# Altium PCB GoPoS_PCB_V3_0.PcbDoc (part 2 of 2)
Units mm, origin at the board's own origin, x right, y up, seen from the top; angles counter-clockwise.
Board outline 218.5 x 165.61 mm, 2 copper layers (Top Layer, Bottom Layer); 105 components, 81 nets, 435 pads, 245 vias.
Unrouted connection lines stored in the file: 37.
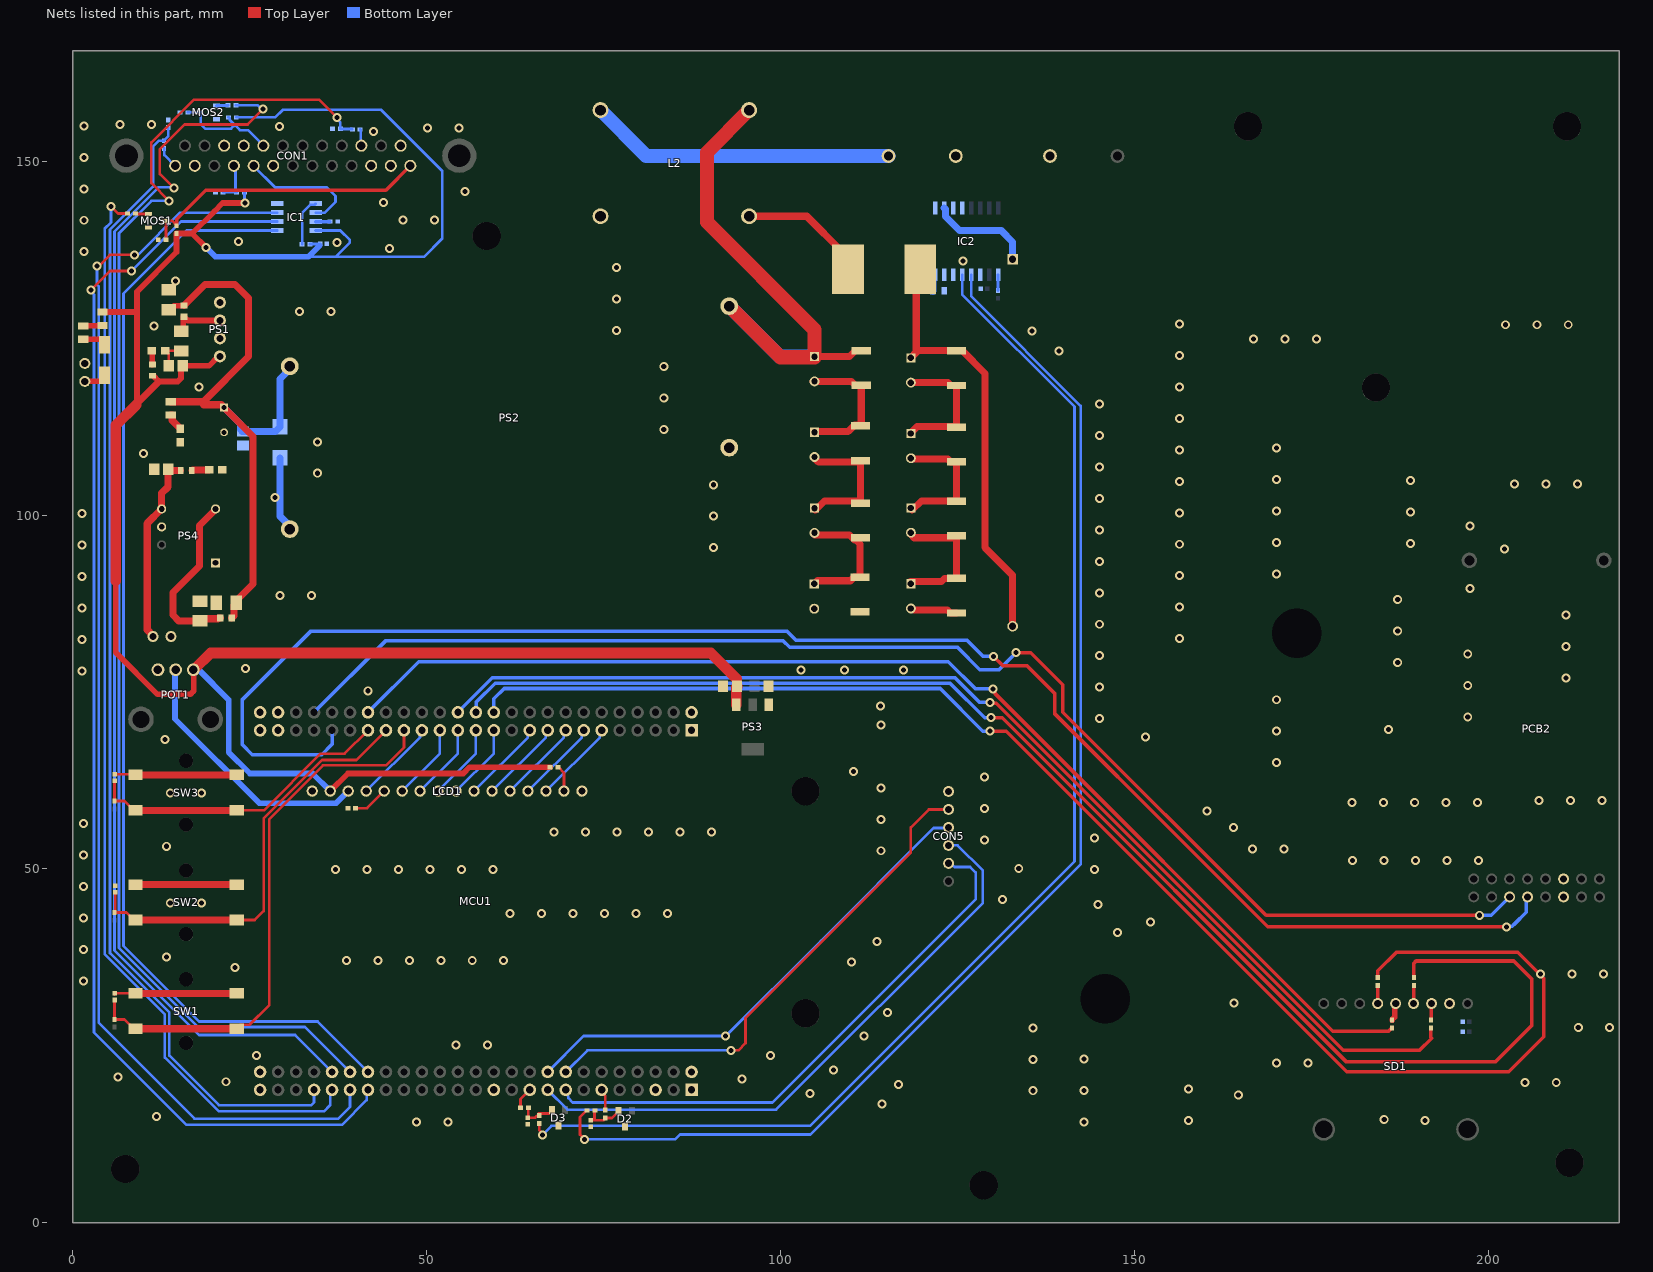
[diagram p2: the nets of this part, all layers, seen from the top]

## Via types
v1: diameter 1.27, hole 0.711, Top Layer to Bottom Layer, 245 vias

## Nets (pads, with @x,y where several pads share a name; then routed paths per layer and width w, separated by ;. In a path a pad name is that pad's centre, name@x,y a point inside that pad or via, vN(x,y) a via of type N, cw(c..) or ccw(c..) an arc to the next point about the centre after c; other vN are vias at no path point) (continued)
+5: C1.2 C8.1 C9.1 IC1.8 LCD1.2 POT1.1 PS1.4 PS3.3 R1.2 R8.1 R9.2 R12.1 R14.2 R20.2 R43.2 | length 351.5
  Top Layer w0.78: R43.2@4.2,128.7 8.871,128.7 9.071,128.5
  Top Layer w0.8: 6.075,90.753 6.075,80.593 11.992,74.676 16.603,74.676 17.072,75.145 17.072,78.107 POT1.1@17.032,78.147 ; 9.071,115.765 9.071,128.5 9.071,131.572 14.659,137.16 R9.2@14.659,139.785 16.86,139.785 ; R20.2@11.265,119.685 11.365,119.685 12.178,118.872 14.821,118.872 15.289,119.341 15.289,120.851 C8.1@15.531,121.093 19.226,121.093 20.562,122.428 PS1.4@20.79,122.428 ; v1(18.85,137.795) 16.86,139.785 ; v1(24.3,144.1) 21.175,144.1 20,142.925 16.86,139.785 ; LCD1.2@36.376,61.007 38.869,63.5 55.172,63.5 56.061,64.389 R14.2@67.449,64.389
  Top Layer w1: 9.071,115.765 12.178,118.872
  Top Layer w1.5: 6.075,90.753 6.075,112.701 8.944,115.57 ; POT1.1@17.13,78.245 17.171,78.205 19.484,80.518 90.146,80.518 93.825,76.839 ; PS3.3@93.766,73.229 93.766,75.68 93.855,75.769 C9.1@93.855,75.819
  Bottom Layer w0.381: R1.2@23.098,156.2 28.6,156.2 29.679,157.28 43.52,157.28 52.2,148.6 52.2,139.1 49.6,136.5 37.1,136.5 ; R12.1@24.25,145.6 24.275,145.575 24.275,144.125 v1(24.3,144.1) ; 33.3,136.5 37.1,136.5 ; R8.1@33.497,138.272 33.54,138.315 34.9,138.315 C1.2@34.943,138.358 ; IC1.8@34.307,140.208 37.792,140.208 39.142,138.858 39.142,138.542 37.1,136.5
  Bottom Layer w0.8: POT1.1@17.032,78.147 17.792,78.147 22.025,73.914 22.025,66.5 25.025,63.5 33.883,63.5 LCD1.2@36.376,61.007 ; v1(18.85,137.795) 18.855,137.795 20.15,136.5 33.3,136.5 C1.2@34.889,138.089
+9: C21.1 CON4.1 PS4.5 R37.2 | length 27
  Top Layer w1: CON4.1@11.325,82.849 11.325,82.997 10.525,83.797 10.525,98.845 PS4.5@12.555,100.875 12.555,103.088 13.48,104.013 C21.1@13.48,106.475 13.642,106.313 R37.2@15.231,106.313
+15: C5.1 C6.1 C19.1 C24.1 D1.1 L3.1 L4.1 PS2.3 R19.2 | length 90.8
  Top Layer w0.8: C19.1@13.54,129.032 13.76,129.032 14.294,129.566 15.65,129.566 L3.1@15.7,129.616
  Top Layer w1: R19.2@13.825,116.025 18.45,116.025 ; L3.1@15.7,129.616 18.672,132.588 22.914,132.588 24.819,130.683 24.819,122.394 18.45,116.025 ; L4.1@22.45,85.464 22.765,85.779 22.765,87.315 C24.1@23.075,87.625 23.075,87.845 25.475,90.245 25.475,111.107 C6.1@21.382,115.2 20.987,115.595 18.488,115.595 18.45,115.632 18.45,116.025
  Bottom Layer w1: C6.1@21.382,115.2 23.702,112.879 23.702,112.079 23.947,111.835 C5.1@24.057,111.835 28.647,111.835 29.264,112.452 D1.1@29.264,112.477 29.264,119.228 30.661,120.625 PS2.3@30.661,121.031
+800V: CON2.1 F1.1 IC2.1 IC2.2 IC2.3 IC2.4 | length 14.7
  Bottom Layer w1: IC2.2@123.117,143.409 123.292,143.234 123.292,142.192 125.276,140.208 131.192,140.208 132.8,138.6 F1.1@132.8,136.16
B_L: C2.1 MCU1.83 R16.1 SW1.1 SW1.2 | length 64.2
  Top Layer w0.375: C2.1@5.896,31.496 R16.1@5.896,28.744 7.306,28.744 8.618,27.432 SW1.2@8.868,27.432 ; SW1.1@23.168,27.432 23.73,27.995 25,27.995 27.74,30.734 27.74,57.023 35.36,64.643 44.25,64.643 46.79,67.183 MCU1.83@46.79,69.596
B_OK: C3.1 MCU1.85 R17.1 SW2.1 SW2.2 | length 46.2
  Top Layer w0.375: C3.1@6.023,46.736 6.023,44.034 5.896,43.907 R17.1@5.896,43.857 6.023,43.857 7.56,43.857 8.618,42.799 SW2.2@8.868,42.799 ; SW2.1@23.168,42.799 25.708,42.799 26.978,44.069 26.978,57.151 35.232,65.405 40.059,65.405 MCU1.85@44.25,69.596
B_R: C4.1 MCU1.87 R18.1 SW3.1 SW3.2 | length 29.6
  Top Layer w0.375: C4.1@5.896,62.484 R18.1@5.896,59.605 7.306,59.605 8.618,58.293 SW3.2@8.868,58.293 ; SW3.1@23.168,58.293 27.003,58.293 35.004,66.294 38.408,66.294 MCU1.87@41.71,69.596
C\S\: IC1.1 MCU1.38 | length 159.5
  Bottom Layer w0.375: IC1.1@28.883,140.208 16.056,140.208 7.166,131.318 7.166,39.117 17.835,28.448 34.598,28.448 MCU1.38@41.71,21.336
"Current Program": CON1.10 R12.2 R13.2 | length 5.8
  Bottom Layer w0.375: R13.2@21.25,145.6 R12.2@23.1,145.6 ; CON1.10@22.775,149.36 22.987,149.148 22.987,145.713 R12.2@23.1,145.6 ; R12.2@23.15,145.6 R12.2@23.1,145.6
current_meas: C22.1 D2.3 R29.1 R32.2 | length 5.9
  Top Layer w0.375: C22.1@73.206,14.489 73.714,14.489 ; R32.2@73.756,15.875 73.714,15.833 73.714,14.489 ; D2.3@77.082,15.832 77.082,15.707 76.192,14.817 R29.1@75.238,14.817 75.238,14.767 74.96,14.489 73.714,14.489
current_meas_prot: MCU1.11 R29.2 | length 3.1
  Top Layer w0.375: MCU1.11@74.73,18.796 74.73,18.416 75.238,17.908 R29.2@75.238,15.917
current_ref: C23.1 D3.3 R33.2 R35.1 | length 5.3
  Top Layer w0.375: R35.1@64.358,16.27 64.337,16.249 64.337,14.88 C23.1@64.316,14.859 65.313,14.859 65.856,15.402 65.856,15.452 67.297,15.452 67.679,15.834 D3.3@67.679,15.959
current_ref_prot: MCU1.19 R35.2 | length 3.1
  Top Layer w0.375: R35.2@63.258,16.27 63.258,17.484 MCU1.19@64.57,18.796
CV/CC: CON1.13 R5.1 | length 3.1
  Bottom Layer w0.375: R5.1@12.9,151.8 12.938,151.762 12.938,150.887 CON1.13@14.465,149.36
CV/CC_uC: MCU1.43 R5.2 R6.2 | length 163.7
  Bottom Layer w0.375: R6.2@13.5,154.75 13.5,153.55 12.9,152.95 R5.2@12.9,152.9 12.2,152.9 11.357,152.057 11.357,146.432 5.261,140.336 5.261,38.1 13.643,29.718 13.643,23.623 20.628,16.637 33.709,16.637 34.09,17.019 MCU1.43@34.09,18.796
D0: LCD1.7 MCU1.77 | length 10.8
  Bottom Layer w0.375: LCD1.7@49.076,61.007 54.41,66.341 MCU1.77@54.41,69.596
D1: LCD1.8 MCU1.75 | length 10.8
  Bottom Layer w0.375: LCD1.8@51.616,61.007 56.95,66.341 MCU1.75@56.95,69.596
D2: LCD1.9 MCU1.73 | length 10.8
  Bottom Layer w0.375: LCD1.9@54.156,61.007 59.49,66.341 MCU1.73@59.49,69.596
D3: LCD1.10 MCU1.69 | length 11.9
  Bottom Layer w0.375: LCD1.10@56.696,61.007 64.302,68.613 64.302,69.328 MCU1.69@64.57,69.596
D4: LCD1.11 MCU1.67 | length 11.9
  Bottom Layer w0.375: LCD1.11@59.236,61.007 66.842,68.613 66.842,69.328 MCU1.67@67.11,69.596
D5: LCD1.12 MCU1.65 | length 11.9
  Bottom Layer w0.375: LCD1.12@61.776,61.007 69.382,68.613 69.382,69.328 MCU1.65@69.65,69.596
D6: LCD1.13 MCU1.63 | length 11.9
  Bottom Layer w0.375: LCD1.13@64.316,61.007 71.922,68.613 71.922,69.328 MCU1.63@72.19,69.596
D7: LCD1.14 MCU1.61 | length 11.9
  Bottom Layer w0.375: LCD1.14@66.856,61.007 74.462,68.613 74.462,69.328 MCU1.61@74.73,69.596
E: LCD1.6 MCU1.79 | length 10.8
  Bottom Layer w0.375: LCD1.6@46.536,61.007 51.87,66.341 MCU1.79@51.87,69.596
Enable+: CON1.1 MOS1.3 R9.1 R10.2 | length 41.8
  Top Layer w0.375: MOS1.3@13.008,141.605 MOS1.3@13.064,141.605 ; R10.2@13.177,138.907 13.177,141.493 MOS1.3@13.064,141.605 ; R9.1@14.659,140.885 14.659,140.935 13.989,141.605 MOS1.3@13.064,141.605
  Top Layer w0.5: R9.1@14.659,140.885 14.709,140.935 14.709,141.809 18.8,145.9 44.245,145.9 CON1.1@47.705,149.36
Enable+_uC: MCU1.41 R11.1 | length 156.1
  Top Layer w0.375: v1(5.388,143.637) 6.404,142.621 R11.1@7.759,142.621
  Bottom Layer w0.375: v1(5.388,143.637) 5.388,141.352 4.499,140.463 4.499,37.972 11.103,31.369 13.008,29.463 13.008,23.368 20.628,15.748 35.487,15.748 36.376,16.637 36.376,18.542 MCU1.41@36.63,18.796
Fiber_CS: CON5.5 MCU1.16 | length 73.6
  Top Layer w0.381: v1(93.018,24.384) 94.034,24.384 95.05,25.4 95.05,28.956 118.418,52.324 118.418,55.88 120.958,58.42 CON5.5@123.752,58.42
  Bottom Layer w0.381: MCU1.16@69.65,21.336 72.698,24.384 v1(93.018,24.384)
Fiber_SCK: CON5.2 MCU1.15 | length 79.1
  Bottom Layer w0.381: MCU1.15@69.65,18.796 69.917,18.529 69.917,17.981 70.024,17.874 70.024,17.629 70.635,17.018 98.86,17.018 127.562,45.72 127.562,49.53 126.8,50.292 124.576,50.292 124.068,50.8 CON5.2@123.752,50.8
Fiber_SI: CON5.4 MCU1.18 | length 71
  Bottom Layer w0.381: MCU1.18@67.11,21.336 72.19,26.416 v1(92.256,26.416) 105.691,39.851 121.643,55.804 123.675,55.804 CON5.4@123.752,55.88
Fiber_SO: CON5.3 MCU1.17 | length 85.6
  Bottom Layer w0.381: MCU1.17@67.11,18.796 69.904,16.002 99.368,16.002 128.578,45.212 128.578,49.784 125.022,53.34 CON5.3@123.752,53.34
GND_800V: C17.2 CON2.2 CON3.2 L2.3 R27.1 | length 49.6
  Top Layer w1: C17.2@118.8,86.6 123.612,86.6 124.041,86.171 R27.1@124.866,86.171
  Bottom Layer w2: L2.3@74.558,157.226 81.035,150.749 CON2.2@115.248,150.749
L/A_S_uC: MCU1.42 R36.1 | length 177.8
  Top Layer w0.375: v1(14.3,146.2) 12.3,148.2 12.3,151.7 15.8,155.2 24.7,155.2 v1(26.9,157.4)
  Bottom Layer w0.375: v1(14.3,146.2) 14.196,146.304 12.119,146.304 5.896,140.081 5.896,38.481 17.834,26.543 31.423,26.543 MCU1.42@36.63,21.336 ; R36.1@23.054,157.9 26.158,157.9 26.658,157.4 v1(26.9,157.4)
LOC/ANALOG: C1.1 C2.2 C3.2 C4.2 C5.2 C6.2 C8.2 C9.2 C10.2 C11.2 C19.2 C20.2 C21.2 C22.2 C23.2 C24.2 C25.2 C26.2 C27.2 CON1.2 CON1.3 CON1.8 CON1.12 CON1.14 CON1.22 CON1.23 CON4.2 CON5.6 CON6.2 D1.2 D2.1 D3.1 IC1.4 IC2.11 IC2.14 IC2.15 LCD1.1 LCD1.16 LED1.1 LED2.1 LED3.1 MCU1.1 MCU1.2 MCU1.5 MCU1.23 MCU1.49 MCU1.50 MCU1.51 MCU1.52 MCU1.99 MCU1.100 MOS1.2 MOS2.2 PCB2.6 PCB2.14 POT1.3 PS1.1 PS1.3 PS2.4 PS3.1 PS4.1 PS4.6 R2.1 R4.1 R6.1 R7.2 R10.1 R13.1 R15.1 R31.1 SD1.2 SW1.3 SW1.4 SW2.3 SW2.4 SW3.3 SW3.4 | length 21.3
  Top Layer w0.375: C2.2@5.896,32.269 5.896,32.274 6.054,32.432 SW1.4@8.868,32.432 ; C4.2@5.896,63.384 8.777,63.384 SW3.4@8.868,63.293 ; LED2.1@13.043,123.228 LED2.1@13.118,123.228 ; C8.2@13.551,121.093 13.551,122.795 LED2.1@13.118,123.228 ; C20.2@15.329,123.19 15.29,123.228 LED2.1@13.118,123.228
  Bottom Layer w1: D1.2@29.264,108.077 29.264,99.834 30.661,98.437 PS2.4@30.661,98.031
  other v1: 48.568,14.224 53.013,14.224 142.862,14.269 157.661,14.478 191.062,14.478 185.3,14.6 11.8,15 114.354,16.764 164.675,18.05 104.194,18.288 135.69,18.669 142.862,18.714 157.661,18.923 116.64,19.558 205.159,19.812 209.604,19.812 21.644,19.939 94.542,20.32 6.4,20.6 107.496,21.59 170.107,22.606 174.552,22.606 135.69,23.114 142.862,23.159 25.962,23.622 98.606,23.622 54.156,25.146 58.601,25.146 111.814,26.416 135.69,27.559 212.715,27.6 217.16,27.6 115.116,29.718 164.1,31.075 1.5,34.175 211.815,35.175 216.26,35.175 22.914,36.068 110.036,36.83 38.662,37.084 43.107,37.084 47.552,37.084 51.997,37.084 56.442,37.084 60.887,37.084 13.262,37.592 1.5,38.62 113.612,39.731 147.6,41 152.3,42.5 1.5,43.065 61.776,43.688 66.221,43.688 70.666,43.688 75.111,43.688 79.556,43.688 84.001,43.688 144.833,44.959 13.77,45.212 18.215,45.212 131.372,45.72 1.5,47.51 37.138,49.911 41.583,49.911 46.028,49.911 50.473,49.911 54.918,49.911 59.363,49.911 144.386,49.911 133.658,50.038 180.82,51.175 185.265,51.175 189.71,51.175 194.155,51.175 198.6,51.175 1.5,51.955 114.227,52.578 166.678,52.832 171.123,52.832 13.262,53.213 128.832,54.102 144.386,54.356 67.999,55.245 72.444,55.245 76.889,55.245 81.334,55.245 85.779,55.245 90.224,55.245 163.975,55.85 1.5,56.4 114.227,57.023 160.25,58.2 128.832,58.547 180.72,59.4 185.165,59.4 189.61,59.4 194.055,59.4 198.5,59.4 207.195,59.65 211.64,59.65 216.085,59.65 13.77,60.706 18.215,60.706 114.227,61.468 128.832,62.992 110.29,63.754 170.107,65.024 13.008,68.326 151.575,68.65 170.107,69.469 185.9,69.7 114.227,70.358 145.088,71.247 197.1,71.5 114.1,73.025 170.107,73.914 41.71,75.184 145.088,75.692 197.1,75.945 211,77 1.3,77.975 102.924,78.149 109.02,78.149 117.402,78.149 24.375,78.35 187.207,79.159 145.088,80.137 197.1,80.39 211,81.445 1.3,82.42 156.391,82.55 187.207,83.604 145.088,84.582 211,85.89 1.3,86.865 156.391,86.995 187.207,88.049 29.264,88.646 33.709,88.646 145.088,89.027 197.4,89.6 1.3,91.31 156.391,91.44 170.107,91.694 145.088,93.472 202.3,95.2 1.3,95.755 156.391,95.885 189,96 170.107,96.139 145.088,97.917 197.4,98.49 1.3,100.2 156.391,100.33 189,100.445 170.107,100.584 145.088,102.362 28.575,102.475 203.71,104.4 208.155,104.4 212.6,104.4 156.391,104.775 189,104.89 170.107,105.029 34.598,105.918 145.088,106.807 9.96,108.712 156.391,109.22 170.107,109.474 34.598,110.363 145.088,111.252 156.391,113.665 145.088,115.697 17.828,118.086 156.391,118.11 156.391,122.555 139.373,123.19 166.81,124.9 171.255,124.9 175.7,124.9 135.563,125.984 11.484,126.746 202.41,126.9 206.855,126.9 211.3,126.9 156.391,127 32.058,128.778 36.503,128.778 14.532,133.096 125.784,135.89 1.6,137.22 44.758,137.668 37.3,138.5 23.422,138.684 1.6,141.665 46.663,141.732 51.108,141.732 43.9,144.2 55.4,145.7 1.6,146.11 1.6,150.555 42.472,154.178 50.092,154.686 54.537,154.686 29.2,154.9 1.6,155 6.658,155.194 11.103,155.194
"LOC/ANALOG State": CON1.21 MOS2.3 R1.1 R2.2 | length 15.5
  Bottom Layer w0.375: R2.2@16.25,156.9 MOS2.3@18,156.9 18.1,156.8 18.1,155.2 18.7,154.6 22.36,154.6 22.892,155.132 ; R1.1@21.998,156.2 22.048,156.2 22.16,156.088 22.16,155.863 22.892,155.132 ; CON1.21@26.93,152.2 24.73,154.4 23.623,154.4 22.892,155.132
MOSI2: IC1.3 MCU1.39 | length 179.8
  Top Layer w0.375: v1(3.422,135.194) 3.67,135.194 5.255,136.779 v1(8.69,136.779)
  Bottom Layer w0.375: v1(3.422,135.194) 3.422,132.52 3.67,132.272 3.67,28.26 17.199,14.732 37.519,14.732 39.17,16.383 MCU1.39@39.17,18.796 ; v1(8.69,136.779) 9.198,136.779 15.167,142.748 IC1.3@28.883,142.748
NetC7_1: C7.1 F1.2 L1.1 R21.2 | length 64.5
  Top Layer w1: C7.1@118.418,122.247 119.18,123.009 ; L1.1@119.18,136.725 119.18,123.009 ; L1.1@120.95,133.706 L1.1@120.95,134.75 ; F1.2@132.8,84.114 132.8,91.5 128.9,95.4 128.9,120.034 125.716,123.218 125.691,123.243 124.866,123.243 119.414,123.243 119.18,123.009
NetC7_2: C7.2 C13.1 R21.1 R23.2 | length 19.3
  Top Layer w1: C7.2@118.36,118.722 123.637,118.722 124.041,118.318 R21.1@124.866,118.318 124.866,112.534 119.31,112.534 C13.1@118.418,111.642
NetC12_1: C12.1 L2.2 PS2.2 R22.2 | length 80.6
  Top Layer w1: C12.1@104.798,122.418 109.741,122.418 110.577,123.254 R22.2@111.402,123.254
  Top Layer w2: PS2.2@92.751,129.531 99.982,122.3 C12.1@104.798,122.3 ; L2.2@95.558,157.226 89.589,151.257 89.589,141.411 104.798,126.202 104.798,122.418 C12.1@104.798,122.393
  Bottom Layer w2: PS2.2@92.751,129.531 99.889,122.393 C12.1@104.798,122.393
NetC12_2: C12.2 C14.1 R22.1 R24.2 | length 19.6
  Top Layer w1: C12.2@104.614,118.893 110.013,118.893 110.577,118.329 R22.1@111.402,118.329 111.402,112.727 111.377,112.702 111.275,112.702 110.45,112.702 109.561,111.813 C14.1@104.798,111.813
NetC13_2: C13.2 C15.1 R23.1 R25.2 | length 18.7
  Top Layer w1: C13.2@118.445,107.942 118.469,107.966 118.777,107.966 118.801,107.942 123.633,107.942 124.041,107.535 R23.1@124.866,107.535 ; C15.1@118.6,100.7 119.901,102.001 R25.2@124.866,102.001 ; R25.2@124.866,102.138 R23.1@124.866,107.434
NetC14_2: C14.2 C16.1 R24.1 R26.2 | length 19.6
  Top Layer w1: C14.2@104.798,108.013 104.825,108.013 105.336,107.502 R24.1@111.275,107.502 ; C16.1@104.9,100.7 106.211,102.011 R26.2@111.275,102.011 ; R26.2@111.275,101.72 R26.2@111.275,102.011 ; R24.1@111.275,107.677 R24.1@111.275,107.502 ; R26.2@111.275,102.011 R24.1@111.275,107.502
NetC15_2: C15.2 C17.1 R25.1 R27.2 | length 18.6
  Top Layer w1: C17.1@118.4,90.6 122.727,90.6 123.173,91.046 124.816,91.046 R27.2@124.866,91.096 ; C15.2@118.418,97.238 118.445,97.238 118.882,96.801 124.866,96.801 R27.2@124.866,91.546
NetC16_2: C16.2 C18.1 R26.1 R28.2 | length 18.5
  Top Layer w1: C18.1@104.769,90.282 105.22,90.732 109.909,90.732 110.396,91.22 111.221,91.22 111.234,91.232 111.234,95.934 110.648,96.52 110.45,96.52 109.759,97.211 C16.2@104.798,97.211
NetC18_2: C18.2 L2.4 PS2.1 R28.1
  other v1: 90.5,95.4 90.5,99.845 90.5,104.29 83.5,112.1 83.5,116.545 83.5,120.99 76.8,126.1 76.8,130.545 76.8,134.99
NetC20_1: C20.1 L3.2 PS1.2 | length 7.5
  Top Layer w0.8: C20.1@15.329,125.99 15.6,126.262 15.6,127.966 15.65,128.016 L3.2@15.7,128.016 15.75,128.016 16.258,127.508 PS1.2@20.79,127.508
NetC25_1: C25.1 L4.2 PS4.4 | length 24.7
  Top Layer w1: PS4.4@20.175,100.875 20.175,100.8 17.925,98.55 17.925,92.825 14.15,89.05 14.15,85.875 14.976,85.049 C25.1@17.978,85.049 18.288,85.359 20.508,85.359 20.613,85.464 L4.2@20.85,85.464
NetCON6_1: CON6.1 D4.2 | length 3.4
  Top Layer w0.78: CON6.1@1.7,118.9 2,118.9 2.035,118.935 4.064,118.935 4.474,119.345 D4.2@4.474,119.77
NetD4_1: D4.1 R42.1 | length 3.5
  Top Layer w0.78: R42.1@1.47,124.85 4.064,124.85 4.474,124.44 D4.1@4.474,124.07
NetIC1_5: IC1.5 R8.2 | length 6.9
  Bottom Layer w0.375: R8.2@32.397,138.272 32.397,142.712 33.53,143.845 34.134,143.845 IC1.5@34.307,144.018
NetIC1_7: IC1.7 R7.1 | length 2
  Bottom Layer w0.5: IC1.7@34.307,141.478 R7.1@36.334,141.478
NetIC2_9: IC2.9 R34.1 | length 2.2
  Bottom Layer w0.375: R34.1@130.737,131.741 IC2.9@130.737,133.959
NetIC2_16: IC2.16 R30.1 R31.2 | length 3.2
  Bottom Layer w1: R30.1@119.688,133.147 121.466,133.147 121.517,133.096 R31.2@121.517,131.699
NetL1_2: L1.2 L2.1 | length 20.3
  Top Layer w1: L2.1@95.558,142.226 103.7,142.226 108.766,137.16 L1.2@108.766,132.207
NetLCD1_3: LCD1.3 POT1.2 | length 37
  Bottom Layer w0.8: POT1.2@14.445,78.147 14.445,71.207 26.343,59.309 37.218,59.309 LCD1.3@38.916,61.007
NetLCD1_5: LCD1.5 R15.2 | length 5
  Top Layer w0.375: R15.2@39.974,58.594 41.583,58.594 LCD1.5@43.996,61.007
NetLCD1_15: LCD1.15 R14.1 | length 3.8
  Top Layer w0.375: R14.1@68.549,64.389 68.599,64.389 69.396,63.592 LCD1.15@69.396,61.007
NetLED1_2: LED1.2 R19.1 | length 2.6
  Top Layer w1: R19.1@13.825,114.125 14.05,114.125 14.05,113.375 15.175,112.25 LED1.2@15.175,112.175
NetLED2_2: LED2.2 R20.1 | length 2
  Top Layer w0.8: LED2.2@11.143,123.228 11.204,123.167 11.204,121.285 R20.1@11.265,121.285
NetLED3_2: LED3.2 R37.1 | length 2.5
  Top Layer w1: R37.1@16.831,106.313 16.918,106.4 LED3.2@19.25,106.4
NetMOS1_1: MOS1.1 R11.2 | length 1.9
  Top Layer w0.375: R11.2@8.859,142.748 8.909,142.748 9.102,142.555 MOS1.1@10.708,142.555
NetMOS2_1: MOS2.1 R36.2 | length 1.7
  Bottom Layer w0.375: MOS2.1@20.3,157.85 20.325,157.875 21.929,157.875 R36.2@21.954,157.9
NetR38_1: R38.1 SD1.6 | length 2.6
  Top Layer w0.5: SD1.6@184.373,30.988 184.387,31.001 184.387,33.537 R38.1@184.4,33.55
NetR39_2: R39.2 SD1.3 | length 2.4
  Top Layer w0.5: R39.2@191.9,28.65 191.947,28.697 191.947,30.941 SD1.3@191.993,30.988
NetR40_2: R40.2 SD1.4 | length 2.5
  Top Layer w0.5: SD1.4@189.453,30.988 R40.2@189.453,33.486
NetR41_2: R41.2 SD1.5 | length 2.6
  Top Layer w0.781: R41.2@186.4,28.65 186.4,28.705 186.766,29.071 186.766,30.841 SD1.5@186.913,30.988
NetR42_2: R42.2 R43.1 | length 2.8
  Top Layer w0.78: R42.2@1.47,126.75 1.495,126.775 4.175,126.775 R43.1@4.2,126.8
"POWER OK": CON1.16 R3.1 | length 2.4
  Bottom Layer w0.375: R3.1@40.6,154.5 40.69,154.41 40.69,152.29 CON1.16@40.78,152.2
ps_current: IC2.12 R32.1 | length 180.7
  Top Layer w0.375: v1(72.317,11.811) 71.667,12.461 71.667,14.936 72.606,15.875 R32.1@72.656,15.875
  Bottom Layer w0.375: v1(72.317,11.811) 85.11,11.811 85.793,12.495 104.242,12.495 142.415,50.667 142.415,115.449 126.927,130.937 IC2.12@126.927,133.959
ps_current_ref: IC2.13 R33.1 | length 182.5
  Top Layer w0.375: R33.1@65.899,14.055 65.899,13.137 66.348,12.688 v1(66.348,12.446)
  Bottom Layer w0.375: v1(66.348,12.446) 67.618,13.716 104.194,13.716 141.532,51.054 141.532,115.316 125.657,131.191 IC2.13@125.657,133.959
"PWR OK_uC": MCU1.40 R3.2 R4.2 | length 192.4
  Top Layer w0.375: v1(13.6,144.4) 11.1,146.9 11.1,152.68 17.12,158.7 34.8,158.7 v1(37.3,156.2)
  Bottom Layer w0.375: v1(13.6,144.4) 11.105,144.4 6.531,139.826 6.531,38.862 17.707,27.686 32.82,27.686 MCU1.40@39.17,21.336 ; v1(37.3,156.2) 37.3,155.962 37.8,155.463 R4.2@37.8,154.6 37.85,154.55 39.45,154.55 R3.2@39.5,154.5
Rs: LCD1.4 MCU1.81 | length 11.9
  Bottom Layer w0.375: LCD1.4@41.456,61.007 49.062,68.613 49.062,69.328 MCU1.81@49.33,69.596
SCK2: IC1.2 MCU1.37 | length 182.3
  Top Layer w0.375: v1(2.594,131.826) 5.261,134.493 v1(8.309,134.493)
  Bottom Layer w0.375: v1(2.594,131.826) 2.594,131.584 3,131.178 3,26.899 16.056,13.843 38.027,13.843 41.528,17.344 41.528,18.614 MCU1.37@41.71,18.796 ; v1(8.309,134.493) 15.294,141.478 IC1.2@28.883,141.478
SD_CS: MCU1.74 R38.2 | length 210.6
  Top Layer w0.5: v1(129.594,69.469) 131.88,69.469 180.013,21.336 202.873,21.336 207.826,26.289 207.826,34.544 204.143,38.227 187.027,38.227 184.4,35.6 R38.2@184.4,34.65
  Bottom Layer w0.5: MCU1.74@59.49,72.136 59.49,74.041 60.951,75.502 122.545,75.502 128.578,69.469 v1(129.594,69.469)
  other v1: 207.37,35.175
SD_SCK: MCU1.78 R39.1 | length 164
  Top Layer w0.381: MCU1.78@54.156,72.39 MCU1.78@54.41,72.136
  Top Layer w0.5: v1(129.593,73.534) 129.686,73.441 130.459,73.441 179.516,24.384 190.284,24.384 192.004,26.104 191.9,26.208 R39.1@191.9,27.55
  Bottom Layer w0.5: MCU1.78@54.41,72.136 59.284,77.01 124.66,77.01 128.137,73.534 v1(129.593,73.534)
SD_SI: MCU1.88 R41.1 | length 169.8
  Top Layer w0.381: MCU1.88@41.71,72.136 MCU1.88@41.773,72.2
  Top Layer w0.5: v1(129.994,75.438) 129.994,75.23 130.307,74.916 130.307,74.793 178.049,27.051 185.901,27.051 R41.1@186.4,27.55
  Bottom Layer w0.5: MCU1.88@41.71,72.136 48.862,79.288 123.712,79.288 127.562,75.438 v1(129.994,75.438)
SD_SO: MCU1.76 R40.1 | length 202.5
  Top Layer w0.381: MCU1.76@56.95,72.136 MCU1.76@56.99,72.177
  Top Layer w0.5: v1(129.721,71.374) 131.326,71.374 179.967,22.733 200.968,22.733 206.175,27.94 206.175,34.417 203.592,37 189.793,37 189.5,36.707 R40.1@189.5,34.65
  Bottom Layer w0.5: MCU1.76@56.95,72.136 57.013,72.2 57.013,73.596 59.673,76.256 123.95,76.256 128.832,71.374 v1(129.721,71.374)
U_Rx: MCU1.98 PCB2.4 | length 229.7
  Top Layer w0.5: v1(130.075,80.05) 131.425,78.7 134.825,78.7 138.775,74.75 138.775,71.9 156.704,53.971 168.85,41.825 v1(202.55,41.825)
  Bottom Layer w0.5: 36.63,69.596 36.63,67.605 35.175,66.15 25.375,66.15 23.975,67.55 23.975,73.95 33.65,83.625 100.875,83.625 102.208,82.292 126.358,82.292 128.6,80.05 v1(130.075,80.05) ; v1(202.55,41.825) 202.652,41.927 203.407,41.927 203.7,42.219 205.359,43.879 205.359,45.859 PCB2.4@205.56,46.06
U_Tx: MCU1.97 PCB2.3 | length 194.6
  Top Layer w0.5: v1(133.275,80.575) 135.375,80.575 139.9,76.05 139.9,72.15 168.6,43.45 198.736,43.45 v1(198.75,43.464) v1@198.836,43.55
  Bottom Layer w0.5: 34.09,72.136 44.179,82.225 100.4,82.225 101.305,81.32 125.005,81.32 128.15,78.175 130.875,78.175 v1(133.275,80.575) ; v1(198.75,43.464) 200.424,43.464 PCB2.3@203.02,46.06
"Voltage Program": CON1.9 IC1.6 | length 17.6
  Bottom Layer w0.375: IC1.6@34.307,142.748 35.614,142.748 37.11,144.244
  Bottom Layer w0.381: CON1.9@25.545,149.36 28.605,146.3 35.9,146.3 37.11,145.09 37.11,144.244
pads on no net: CON1.4 CON1.5 CON1.6 CON1.7 CON1.11 CON1.15 CON1.17 CON1.18 CON1.19 CON1.20 CON1.24 CON1.25 CON1.MH1 CON1.MH2 MCU1.6 MCU1.7 MCU1.8 MCU1.9 MCU1.10 MCU1.12 MCU1.13 MCU1.14 MCU1.20 MCU1.21 MCU1.22 MCU1.24 MCU1.25 MCU1.26 MCU1.27 MCU1.28 MCU1.29 MCU1.30 MCU1.31 MCU1.32 MCU1.33 MCU1.34 MCU1.35 MCU1.36 MCU1.44 MCU1.45 MCU1.46 MCU1.47 MCU1.48 MCU1.53 MCU1.54 MCU1.55 MCU1.56 MCU1.57 MCU1.58 MCU1.59 MCU1.60 MCU1.62 MCU1.64 MCU1.66 MCU1.68 MCU1.70 MCU1.71 MCU1.80 MCU1.82 MCU1.84 MCU1.86 MCU1.89 MCU1.90 MCU1.91 MCU1.92 MCU1.93 MCU1.94 MCU1.95 MCU1.96 PCB1. PCB2. PCB2.1 PCB2.2 PCB2.5 PCB2.8 PCB2.9 PCB2.10 PCB2.11 PCB2.12 PCB2.13 PCB2.16 POT1.MH1 POT1.MH2 PS4.7 SD1.7 SD1.8 SD1.9 SD1.P$1 SW1.0 SW2.0 SW3.0

## Polygon pours and split planes (outlines as drawn)
LOC/ANALOG on Top Layer "NONET_L-01_P-001" (solid, remove dead copper, pour order 20): 217.9,62.65 217.9,24.806 210.366,17.272 173.853,17.272 173.75,17.375 173.75,62.55 173.85,62.65
NetC18_2 on Top Layer "NONET_L-01_P-001" (solid, pour order 18): 71.682,143.764 71.682,121.92 85.906,107.696 85.906,94.234 94.796,85.344 112.576,85.344 112.576,88.392 102.162,88.392 94.796,95.758 94.796,112.522 81.842,125.476 81.842,138.684 76.762,143.764
LOC/ANALOG on Top Layer "NONET_L-01_P-001" (solid, remove dead copper, pour order 16): 137.785,11.557 204.651,11.557 210.366,17.272 210.366,37.719 209.223,38.862 140.135,38.862 137.668,36.395
+3V3 on Top Layer "NONET_L-01_P-001" (solid, pour order 15): 82.985,10.795 82.985,8.128 86.414,8.128 86.414,10.795
LOC/ANALOG on Top Layer "NONET_L-01_P-001" (solid, remove dead copper, pour order 13): 121.339,11.557 218.1,11.557 218.1,130.048 132.642,130.048 126.165,136.525 125.022,136.525 125.022,129.378 138.738,115.662 138.738,81.788 137.214,80.264 121.339,80.264
LOC/ANALOG on Top Layer "Top Layer-LOC/ANALOG" (solid, remove dead copper, pour order 4): 0.3,25.154 13.897,11.557 122.101,11.557 122.228,11.684 122.228,80.391 39.678,80.391 36.249,83.82 36.249,123.952 58.601,146.304 58.601,157.353 0.3,157.353
+3V3 on Top Layer "NONET_L-01_P-001" (solid, pour order 0): 91.24,70.866 99.622,70.866 99.622,66.04 97.844,64.262 94.288,64.262 91.24,67.31
NetC18_2 on Bottom Layer "NONET_L-01_P-001" (solid, pour order 21): 71.682,143.764 71.682,121.92 85.906,107.696 85.906,94.234 94.796,85.344 112.576,85.344 112.576,88.392 102.162,88.392 94.796,95.758 94.796,112.522 81.842,125.476 81.842,138.684 76.762,143.764
LOC/ANALOG on Bottom Layer "NONET_L-01_P-001" (solid, pour order 19): 218.1,62.65 218.1,17.272 173.853,17.272 173.75,17.375 173.75,62.55 173.85,62.65
+800V on Bottom Layer "NONET_L-01_P-001" (solid, pour order 17): 125.53,152.273 127.142,152.273 127.142,149.44 125.784,148.082
LOC/ANALOG on Bottom Layer "NONET_L-01_P-001" (solid, remove dead copper, pour order 14): 137.785,11.557 204.651,11.557 210.366,17.272 210.366,37.719 209.223,38.862 140.135,38.862 137.668,36.395
LOC/ANALOG on Bottom Layer "NONET_L-01_P-001" (solid, remove dead copper, pour order 12): 121.212,133.604 140.262,114.554 140.262,82.042 136.96,78.74 121.212,78.74 121.212,36.576 218.2,36.576 218.2,130.2 132.342,130.2 125.636,136.906 121.212,136.906
GND_800V on Bottom Layer "NONET_L-01_P-001" (solid, remove dead copper, pour order 11): 110.993,160.02 135.69,160.02 140.135,155.575 140.135,149.098 134.039,149.098 127.562,155.575 111.052,155.575
GND_800V on Bottom Layer "NONET_L-01_P-001" (solid, remove dead copper, pour order 10): 110.993,160.02 117.656,160.02 119.434,158.242 119.434,85.375 110.868,85.375
LOC/ANALOG on Bottom Layer "Bottom Layer-LOC/ANALOG" (solid, remove dead copper, pour order 9): 0.5,24.2 16.318,8.382 139.881,8.382 139.881,64.389 137.849,66.421 131.499,66.421 122.228,77.095 122.228,80.391 39.678,80.391 36.249,83.82 36.249,124.46 58.601,146.812 58.601,157.353 0.5,157.353
800V_out on Bottom Layer "NONET_L-01_P-001" (solid, pour order 8): 126.546,141.732 145.088,141.732 149.914,146.558 149.914,152.273 145.977,152.273 145.977,151.003 141.532,146.558 127.943,146.558 126.546,145.161
+800V on Bottom Layer "NONET_L-01_P-001" (solid, pour order 7): 120.577,152.273 125.53,152.273 125.911,151.892 125.911,142.24 125.784,142.113 120.577,142.113
LOC/ANALOG on Bottom Layer "NONET_L-01_P-001" (solid, remove dead copper, pour order 5): 4.88,158.3 57.966,158.3 57.966,146.431 46.917,135.382 4.88,135.382

## Keep-outs
Top Layer:
  lines w0.1: 129.593,72.591 129.721,72.317 ; 180.902,25.4 180.902,26.416 ; 196.396,24.638 197.158,23.368
Bottom Layer:
  lines w0.1: 4.474,149.816 4.48,151.684 ; 30.28,60.198 30.28,62.738 ; 35.289,18.796 35.431,18.796 ; 37.829,18.796 37.971,18.796 ; 40.369,18.796 40.511,18.796 ; 47.677,60.96 47.931,60.96 ; 50.225,61 50.483,61.007 ; 50.529,69.596 50.671,69.596 ; 52.757,61.004 53.015,61.011 ; 53.069,69.596 53.211,69.596 ; 55.297,61.004 55.555,61.011 ; 55.609,69.596 55.751,69.596 ; 57.837,61.004 58.095,61.011 ; 58.149,69.596 58.291,69.596 ; 58.149,72.136 58.291,72.136 ; 60.377,61.004 60.635,61.011 ; 60.689,69.596 60.831,69.596 ; 62.917,61.004 63.175,61.011 ; 63.229,69.596 63.371,69.596 ; 65.457,61.004 65.715,61.011 ; 65.769,69.596 65.911,69.596 ; 67.997,61.004 68.255,61.011 ; 68.309,69.596 68.451,69.596 ; 70.849,69.596 70.991,69.596 ; 72.19,13.208 72.317,12.754 ; 73.389,69.596 73.531,69.596 ; 92.5,25.505 92.546,25.201 ; 119.434,139.7 117.148,143.002 117.148,154.432 118.418,155.702 119.942,155.702
Keep-Out Layer:
  circle w0.254: c172.962,83.31 r6.434
  circle w0.254: c145.861,31.697 r6.434
  circle w0.254: c184.128,118.025 r4
  circle w0.254: c211.128,154.94 r4
  circle w0.254: c166.043,154.94 r4
  circle w0.254: c128.705,5.334 r4
  circle w0.254: c211.472,8.511 r4
  circle w0.254: c58.474,139.446 r4
  circle w0.254: c7.42,7.62 r4
  circle w0.254: c103.536,61.007 r3.1
  circle w0.254: c103.536,29.607 r3.1

## Silkscreen, mask and mechanical layers (free items; w line width, h text height)
Top Overlay:
  lines w0.1: 28.248,73.914 28.248,74.168 ; 109.965,144.763 130.356,144.526 130.356,163.83 110.2,163.83 110.2,162.103 109.965,144.763 ; 117.148,45.72 125.53,45.72 125.53,62.992 117.148,62.992 117.148,45.72 ; 132.8,144.763 133.034,162.103 133.034,163.83 153.19,163.83 153.19,144.526 132.8,144.763 ; 172.068,34.558 174.848,37.338 203.55,37.338 203.55,3.81 172.308,3.81 172.068,34.558
  text "GND" at 117.402,162.56 h1.52 r180
  text "800V_O" at 129.086,162.56 h1.52 r180
  text "GND" at 140.262,162.56 h1.52 r180
  text "800V_I" at 152.454,162.56 h1.52 r180
  text "A" at 187.945,149.459 h15
  text "PS Communication" at 62.101,145.3 h2.5 r90
  text "PREDATE GROUND STATION PCB V3.0" at 177.092,135.382 h2.5
  text "H" at 155.502,131.052 h15
  text "5V" at 0.354,115.354 h1.52
  text "72" at 193.4,110.001 h15
  text "9V" at 6.912,81.026 h1.52
  text "GND" at 15.929,81.026 h1.52
  text "GND" at 117.91,60.472 h1.52
  text "CS" at 117.91,57.932 h1.52
  text "MISO" at 117.91,55.392 h1.52
  text "MOSI" at 117.91,52.852 h1.52
  text "UP" at 14.551,52.216 h2
  text "SCK" at 117.91,50.312 h1.52
  text "3V3" at 117.91,47.779 h1.52
  text "Fiber" at 119.942,44.478 h1.52
  text "OK" at 14.678,36.722 h2
  text "DOWN" at 12.392,21.228 h2
  text "SD CARD" at 182.341,4.826 h1.52
Board:
  the board outline again, w0.254
Mechanical 20:
  text "*. Product Type: Industrial/Consumer Electronics" at 235.025,142.107 h8
  text "*. PCB Thickness: 1.6mm" at 235.525,134.337 h8
  text "*. PCB Color: Green" at 236.175,126.1 h8
  text "*. Silkscreen: White" at 236.175,117.625 h8
  text "*. Delivery Format: Single PCB" at 235.975,109.257 h8
  text "*. Surface Finish: ENIG" at 236.275,100.862 h8
  text "*. Outer Copper Weight: 1oz" at 236.425,93.27 h8
  text "*. Via Covering: Untented" at 236.525,86.057 h8
  text "*. Board Outline Tolerance: +-0.2mm" at 236.4,77.825 h8
  text "*. Confirm Production File: NO" at 236.175,70.262 h8
  text "*. Remove Order Number: Yes" at 236.4,62.3 h8
  text "*. Flying Probe Test: Fully Test" at 236.5,54.507 h8
  text "*. Gold Fingers: No" at 236.75,46.482 h8
  text "*. Castellated Holes: No" at 236.925,38.162 h8